# Altium PCB SPEC-A7.PcbDoc (part 4 of 10)
Units mm, origin at the board's own origin, x right, y up, seen from the top; angles counter-clockwise.
Board outline 160 x 100 mm, 6 copper layers (Top Layer, L2, L3, L4, L5, Bottom Layer), stack 1.61 mm thick; 746 components, 489 nets, 2774 pads, 1740 vias.
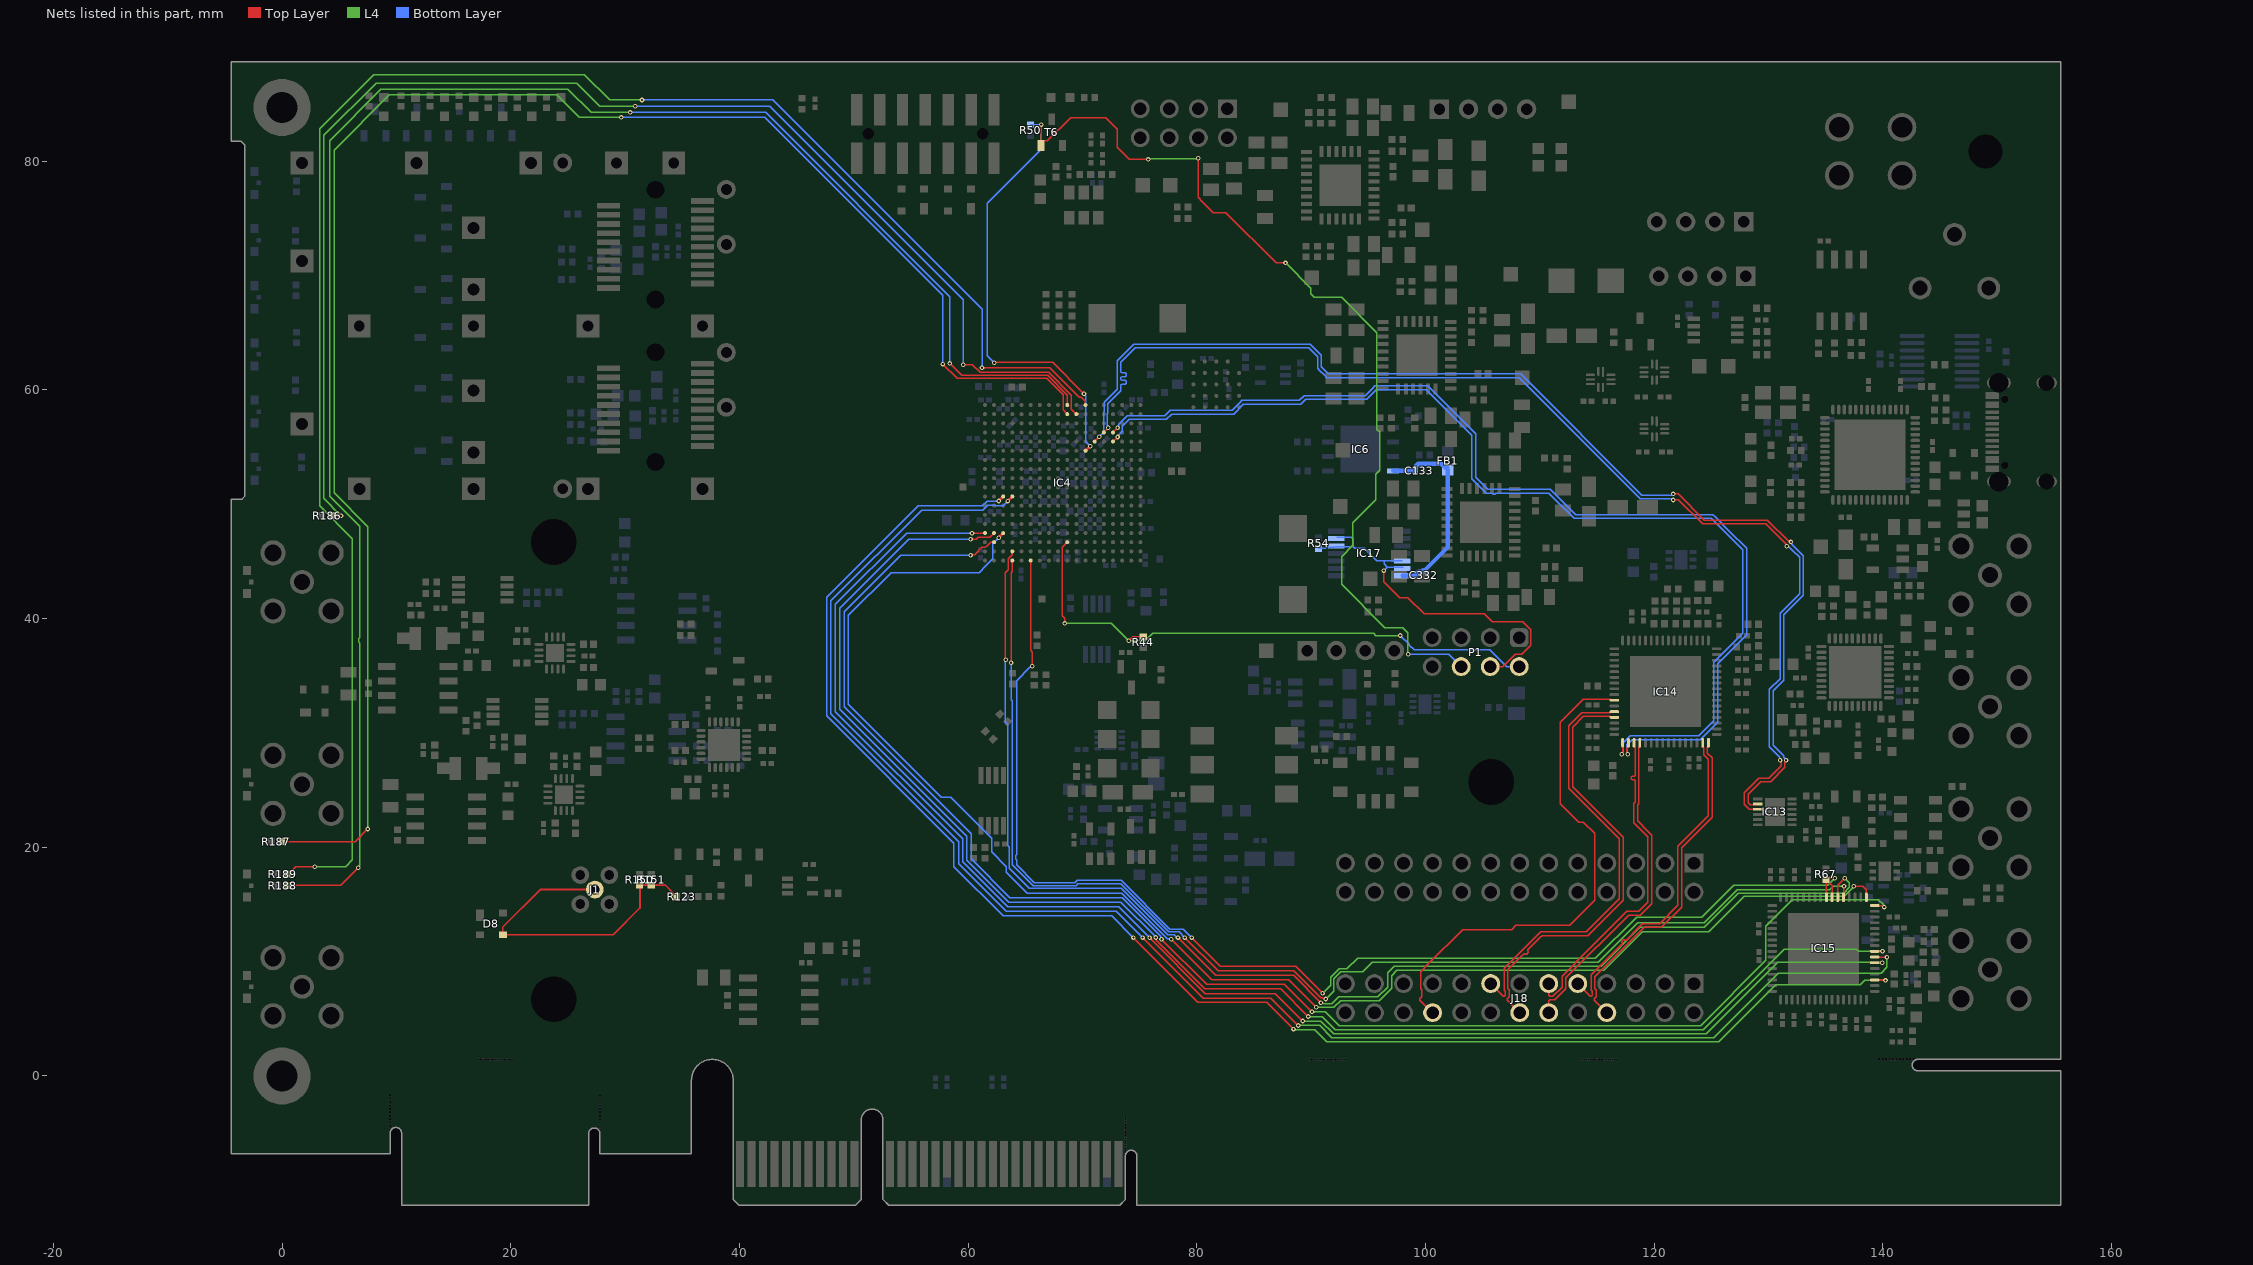
[diagram p8: the nets of this part, all layers, seen from the top]

## Via types
v1: diameter 0.4, hole 0.2, Top Layer to Bottom Layer, tented both sides, 1622 vias
v2: diameter 0.5, hole 0.2, Top Layer to Bottom Layer, tented both sides, 73 vias
v3: diameter 0.4, hole 0.2, Top Layer to Bottom Layer, 45 vias

## Nets (pads, with @x,y where several pads share a name; then routed paths per layer and width w, separated by ;. In a path a pad name is that pad's centre, name@x,y a point inside that pad or via, vN(x,y) a via of type N, cw(c..) or ccw(c..) an arc to the next point about the centre after c; other vN are vias at no path point) (continued)
EXT_CLK_4_P: IC14.26 J18.20 | length 44.6
  Top Layer w0.127: J18.20@100.611,5.54 99.51,6.64 99.51,6.745 99.681,6.917 99.681,7.538 99.57,7.649 99.57,9.121 100.25,9.8 103.25,12.8 107.517,12.8 107.887,13.17 112.587,13.17 114.78,15.363 114.78,21.207 113.787,22.2 113.372,22.2 111.761,23.811 111.761,30.923 113.532,32.694 113.534,32.694 113.782,32.943 116.091,32.943 116.176,32.858 IC14.26@116.509,32.858
EXT_CLK_5_N: IC14.28 J18.15 | length 38.3
  Top Layer w0.127: J18.15@105.691,8.08 106.791,6.979 106.897,6.979 106.971,7.053 106.971,7.401 106.86,7.512 106.86,9.41 107.054,9.604 110.05,12.6 114.05,12.6 116.95,15.5 116.95,20.733 114.716,22.967 112.52,25.163 112.52,30.642 113.65,31.773 115.176,31.773 116.091,31.773 116.176,31.858 IC14.28@116.509,31.858
EXT_CLK_5_P: IC14.29 J18.14 | length 38.6
  Top Layer w0.127: J18.14@108.231,5.54 107.13,6.64 107.13,6.745 107.301,6.917 107.301,7.538 107.19,7.649 107.19,9.274 108.333,10.417 108.609,10.693 108.715,10.693 108.748,10.659 108.84,10.659 108.979,10.798 108.979,10.891 108.946,10.924 108.946,11.029 110.033,12.117 ; 109.733,11.817 110.033,12.117 ; IC14.29@116.509,31.358 116.176,31.358 116.091,31.443 115.313,31.443 113.787,31.443 112.85,30.506 112.85,25.3 117.28,20.87 117.28,15.363 114.187,12.27 110.187,12.27 110.033,12.117
EXT_CLK_6_N: IC14.47 J18.9 | length 29.4
  Top Layer w0.127: J18.9@113.311,8.08 114.411,6.979 114.517,6.979 114.591,7.053 114.591,7.401 114.48,7.512 114.48,8.83 114.674,9.024 117.15,11.5 117.195,11.545 117.195,11.65 117.161,11.683 117.161,11.776 117.3,11.915 117.393,11.915 117.426,11.881 117.531,11.881 118.57,12.92 118.79,13.14 118.983,13.333 120.474,13.333 122.05,14.909 122.05,20.08 122.243,20.273 124.721,22.752 124.721,23.346 124.721,27.682 124.319,28.085 124.319,28.714 124.234,28.799 IC14.47@124.234,29.133
EXT_CLK_6_P: IC14.48 J18.8 | length 29.5
  Top Layer w0.127: J18.8@115.851,5.54 114.75,6.64 114.75,6.745 114.921,6.917 114.921,7.538 114.81,7.649 114.81,8.694 119.12,13.003 120.611,13.003 122.38,14.772 122.38,19.943 125.052,22.615 125.052,27.819 124.649,28.222 124.649,28.714 124.734,28.799 IC14.48@124.734,29.133
EXT_CLK_9_N: IC14.36 J18.12 | length 28.8
  Top Layer w0.127: J18.12@110.771,5.54 110.771,6.57 110.845,6.645 111.274,6.645 112.27,7.641 112.27,8.59 117.75,14.07 118.787,14.07 119.78,15.063 119.78,21.07 119.45,21.4 118.552,22.298 118.552,23.718 118.649,23.815 118.649,28.714 118.734,28.799 IC14.36@118.734,29.133
EXT_CLK_9_P: IC14.35 J18.11 | length 28.7
  Top Layer w0.127: J18.11@110.771,8.08 110.771,7.049 110.845,6.975 111.137,6.975 111.94,7.777 111.94,8.727 114.42,11.207 117.613,14.4 118.65,14.4 119.45,15.2 119.45,20.933 118.222,22.161 118.222,23.855 118.319,23.952 118.319,24.61 118.319,25.827 118.244,25.901 118.053,25.901 117.987,25.966 117.987,26.162 118.053,26.228 118.244,26.228 118.319,26.302 118.319,26.693 118.319,28.714 118.234,28.799 IC14.35@118.234,29.133
EXT_CLK_N: IC4.D14 IC13.9 | length 102.6
  Top Layer w0.127: IC4.D14@71.864,56.276 71.864,56.289 72.236,56.662 v1(72.236,56.676) ; v1(121.65,50.371) 121.685,50.406 122.104,50.406 124.225,48.285 129.759,48.285 131.525,46.519 131.525,46.38 v1(131.577,46.327) ; IC13.9@129.05,23.325 128.323,23.325 127.87,23.778 127.87,24.762 129.155,26.047 130.03,26.047 131.098,27.116 131.098,27.428 131,27.526 v1(131,27.6)
  Bottom Layer w0.127: v1(72.236,56.676) 72.212,56.7 72.212,56.851 72.177,56.887 72.177,57.931 72.212,57.966 72.212,58.786 73.35,59.925 73.35,60.042 73.35,60.432 73.424,60.507 73.742,60.507 73.808,60.572 73.808,60.768 73.742,60.834 73.415,60.834 73.35,60.899 73.35,61.095 73.415,61.161 73.736,61.161 73.802,61.226 73.802,61.422 73.736,61.488 73.424,61.488 73.35,61.562 73.35,62.073 73.35,62.4 74.617,63.667 89.782,63.667 90.55,62.9 90.55,61.871 90.743,61.678 91.161,61.26 91.355,61.067 108.183,61.067 118.78,50.47 v1@121.55,50.47 ; v1(131,27.6) 130.986,27.614 130.986,27.884 130.069,28.802 130.069,33.819 131.005,34.755 131.005,35.1 131.013,35.107 131.013,40.479 132.7,42.167 132.7,45.344 132.02,46.024 131.769,46.275 131.629,46.275 v1(131.577,46.327)
EXT_CLK_P: IC4.E13 IC13.8 | length 102.7
  Top Layer w0.127: IC4.E13@71.064,55.476 71.064,55.488 71.465,55.889 v1(71.465,55.902) ; v1(121.65,50.898) 122.079,50.898 124.362,48.615 129.896,48.615 131.758,46.752 131.898,46.752 v1(131.95,46.7) ; IC13.8@129.05,23.775 128.994,23.719 128.396,23.719 128.2,23.915 128.2,24.625 129.292,25.717 130.167,25.717 131.429,26.979 131.429,27.428 131.527,27.526 v1(131.527,27.6)
  Bottom Layer w0.127: v1(71.465,55.902) 71.846,56.284 71.846,56.468 ; 71.846,56.468 71.846,56.883 ; 71.846,56.884 71.846,58.068 71.881,58.103 71.881,58.923 73.02,60.061 73.02,62.537 74.48,63.998 89.919,63.998 90.88,63.037 90.88,62.008 91.491,61.397 108.32,61.397 118.917,50.8 v1@121.55,50.8 ; v1(131.527,27.6) 131.527,27.674 131.316,27.884 131.316,28.021 130.399,28.939 130.399,33.682 131.335,34.619 131.335,34.963 131.343,34.97 131.343,40.343 133.03,42.03 133.03,45.48 132.156,46.354 132.002,46.509 132.002,46.648 v1(131.95,46.7)
EXT_PLL_CS: IC4.R3 IC15.17 | length 132
  Top Layer w0.127: v1(77.75,11.947) 81.297,8.4 88.05,8.4 v1(90.45,6) ; v1(137.45,16.6) 138.25,16.6 138.55,16.3 IC15.17@138.55,15.625
  Top Layer w0.254: v1(62.664,47.076) IC4.R3@63.064,47.476
  L4 w0.127: v1(90.45,6) 91.98,6 92.56,6.58 95.955,6.58 97.03,7.656 97.03,8.781 97.49,9.24 115.59,9.24 118.95,12.6 124.75,12.6 127.85,15.7 136.613,15.7 137.45,16.536 v1(137.45,16.6)
  Bottom Layer w0.127: v1(62.664,47.076) 62.151,46.563 62.151,45.217 61.556,44.622 61.556,44.615 60.961,44.021 53.27,44.021 49.525,40.275 49.525,32.511 57.642,24.393 58.457,24.393 62.05,20.801 62.05,19.602 63.338,18.313 63.338,17.811 65.15,16 73.413,16 77.413,12 77.698,12 v1(77.75,11.947)
EXT_PLL_LOCK: IC4.L3 IC15.3 | length 138.3
  Top Layer w0.127: v1(74.45,12.1) 80.09,6.46 86.09,6.46 v1(88.45,4.1) ; IC15.3@139.275,8.4 139.297,8.377 140.196,8.377 v1(140.219,8.355)
  Top Layer w0.254: v1(62.664,50.28) 62.666,50.28 63.062,50.676 IC4.L3@63.064,50.676
  L4 w0.127: v1(88.45,4.1) 88.502,4.048 88.688,4.048 88.71,4.026 90.324,4.026 91.35,3 125.65,3 130.609,7.96 138.009,7.96 138.405,8.355 v1(140.219,8.355)
  Bottom Layer w0.127: v1(62.664,50.28) 62.659,50.276 61.654,50.276 61.241,49.863 55.612,49.863 47.62,41.87 47.62,31.5 58.75,20.37 58.75,18.3 63.05,14 72.55,14 v1(74.45,12.1)
EXT_PLL_REFSEL: IC4.L4 IC15.7 | length 139.3
  Top Layer w0.127: v1(75.25,12.1) 80.551,6.799 86.451,6.799 88.834,4.416 v1(88.871,4.416) ; IC15.7@139.275,10.4 139.281,10.393 140.339,10.393 v1(140.346,10.387)
  Top Layer w0.254: v1(63.464,50.276) IC4.L4@63.864,50.676
  L4 w0.127: v1(88.871,4.416) 90.734,4.416 91.813,3.337 125.187,3.337 130.85,9 139.85,9 140.346,9.496 v1(140.346,10.387)
  Bottom Layer w0.127: v1(63.464,50.276) 63.051,49.863 62.386,49.863 62.356,49.893 61.691,49.893 61.279,49.482 55.931,49.482 48.001,41.551 48.001,31.677 59.177,20.5 59.177,18.572 63.35,14.4 72.95,14.4 v1(75.25,12.1)
EXT_PLL_SCLK: IC4.T2 IC15.16 | length 135.4
  Top Layer w0.127: v1(60.21,45.545) 60.263,45.597 60.555,45.597 61.2,46.241 61.528,46.241 61.597,46.31 61.615,46.31 61.981,46.676 IC4.T2@62.264,46.676 ; v1(76.905,11.955) 80.851,8.01 87.64,8.01 90.028,5.622 v1(90.066,5.622) ; IC15.16@139.275,14.9 139.899,14.9 140.026,14.773 v1(140.1,14.773)
  L4 w0.127: v1(90.066,5.622) 90.078,5.61 91.24,5.61 92.45,4.4 124.05,4.4 129.75,10.1 129.75,13.1 132.05,15.4 139.6,15.4 140.048,14.952 140.048,14.825 v1(140.1,14.773)
  Bottom Layer w0.127: v1(60.21,45.545) 54.094,45.545 49.144,40.594 49.144,32.306 60.25,21.2 60.25,19 63.65,15.6 73.454,15.6 76.853,12.201 76.853,12.008 v1(76.905,11.955)
EXT_PLL_SDI: IC4.U4 IC15.22 | length 114.4
  Top Layer w0.127: v1(63.286,36.406) 63.241,36.451 63.241,44.008 63.498,44.265 63.498,45.227 63.864,45.593 IC4.U4@63.864,45.876 ; v1(78.35,12.1) 81.65,8.8 88.45,8.8 90.848,6.402 v1(90.848,6.399) ; IC15.22@136.05,15.625 136.05,16.7 v1(136.65,17.3)
  L4 w0.127: v1(90.848,6.399) 90.9,6.346 91.089,6.346 91.092,6.344 91.11,6.326 91.814,6.326 92.396,6.908 95.83,6.908 96.679,7.756 96.679,9.029 97.248,9.598 115.348,9.598 118.75,13 124.35,13 127.35,16 136.554,16 137.05,16.496 137.05,16.9 v1(136.65,17.3)
  Bottom Layer w0.127: v1(63.286,36.406) 63.241,36.36 63.241,30.967 63.463,30.745 63.463,20.158 63.6,20.021 63.6,19.698 63.592,19.69 63.592,18.157 65.35,16.4 73.372,16.4 77.434,12.338 78.038,12.338 78.276,12.1 v1(78.35,12.1)
EXT_PLL_SDO: IC4.V4 IC15.21 | length 110.1
  Top Layer w0.127: v1(63.749,36.147) 63.749,44.021 63.864,44.136 IC4.V4@63.864,45.076 ; v1(78.95,12.1) 81.85,9.2 88.478,9.2 90.828,6.85 90.949,6.85 91.017,6.782 91.206,6.782 v1(91.258,6.73) ; IC15.21@136.55,15.625 136.569,15.644 136.569,16.567 v1(136.589,16.587)
  L4 w0.127: v1(91.258,6.73) 91.95,7.422 91.95,8.511 92.56,9.12 94.507,9.12 95.35,9.962 115.112,9.962 118.55,13.4 124.35,13.4 127.25,16.3 135.35,16.3 135.637,16.587 v1(136.589,16.587)
  Bottom Layer w0.127: v1(63.749,36.147) 63.749,32.905 63.846,32.808 63.846,20.135 63.854,20.127 63.854,19.593 63.846,19.585 63.846,18.492 65.683,16.655 69.435,16.655 69.579,16.8 73.331,16.8 77.539,12.592 78.458,12.592 v1(78.95,12.1)
EXT_PLL_STAT: IC4.R1 IC15.6 | length 132.7
  Top Layer w0.127: v1(60.333,47.463) 60.802,47.463 60.824,47.44 61.428,47.44 IC4.R1@61.464,47.476 ; v1(75.863,12.094) 75.863,12.086 80.749,7.2 86.85,7.2 89.243,4.807 v1(89.25,4.807) ; IC15.6@139.275,9.9 v1(139.942,9.902)
  L4 w0.127: v1(89.25,4.807) 89.257,4.8 90.85,4.8 91.95,3.7 124.55,3.7 130.79,9.941 139.903,9.941 v1(139.942,9.902)
  Bottom Layer w0.127: v1(60.333,47.463) 54.612,47.463 48.382,41.232 48.382,31.868 59.524,20.726 59.524,18.726 63.45,14.8 73.16,14.8 v1(75.863,12.094) v1(75.863,12.094)
EXT_PLL_SYNC: IC4.R2 IC15.8 | length 132.9
  Top Layer w0.127: v1(60.21,46.942) 60.719,46.942 60.888,47.11 61.898,47.11 IC4.R2@62.264,47.476 ; v1(76.39,12.111) 76.442,12.059 76.442,11.866 80.681,7.628 87.322,7.628 v1(89.75,5.2) ; IC15.8@139.275,10.9 v1(139.96,10.9)
  L4 w0.127: v1(89.75,5.2) 90.95,5.2 92.117,4.033 124.283,4.033 131.35,11.1 137.673,11.1 137.873,10.9 v1(139.96,10.9)
  Bottom Layer w0.127: v1(60.21,46.942) 54.791,46.942 48.763,40.913 48.763,32.087 59.881,20.969 59.881,18.869 63.55,15.2 73.36,15.2 76.39,12.17 v1(76.39,12.111)
EXT_RESET: IC4.V6 IC15.23 IC15.24 R67.2 | length 112.3
  Top Layer w0.127: IC4.V6@65.459,45.07 65.459,37.208 65.604,37.063 v1(65.604,35.839) ; v1(79.55,12.1) 82.05,9.6 88.631,9.6 v1(90.99,7.24) ; IC15.24@135.05,15.625 R67.2@135.05,17.118 ; IC15.23@135.55,15.625 135.55,16.638 135.032,17.156 135.168,17.292 v1(135.779,17.292)
  L4 w0.127: v1(90.99,7.24) 91.696,7.947 91.696,8.616 92.455,9.374 93.124,9.374 94.05,10.3 114.85,10.3 118.45,13.9 124.15,13.9 126.95,16.7 135.187,16.7 v1(135.779,17.292)
  Bottom Layer w0.127: v1(65.604,35.839) 65.53,35.839 65.433,35.742 65.403,35.742 64.229,34.567 64.229,19.331 64.178,19.28 64.178,18.957 64.229,18.906 64.229,18.468 65.788,16.909 69.33,16.909 69.519,17.099 73.392,17.099 77.645,12.846 78.804,12.846 v1(79.55,12.1)
EXT_TOD_IN: D8.3 J1.1 R123.1 R150.2 R151.2 | length 28.7
  Top Layer w0.155: J1.1@27.35,16.3 22.577,16.3 19.3,13.023 D8.3@19.3,12.35 28.95,12.35 31.3,14.7 31.3,16.673 R150.2@31.27,16.704 R151.2@32.286,16.704 33.493,16.704 34.265,15.931 34.265,15.901 R123.1@34.479,15.688
FLASH_UP_EN: IC17.5 IC17.6 IC17.12 IC17.13 P1.4 R54.2 | length 33.8
  Top Layer w0.127: v3(96.35,44.2) 96.35,43.211 97.755,41.806 98.458,41.806 99.863,40.4 105.15,40.4 105.849,39.701 108.506,39.701 109.205,39.002 109.205,37.678 108.412,36.885 107.838,36.885 106.754,35.8 P1.4@105.65,35.8
  Bottom Layer w0.127: R54.2@90.65,46.13 91.212,46.13 91.336,46.253 92.053,46.253 92.095,46.295 93.65,46.295 93.65,47 93.55,47.1 IC17.6@92.25,47.1 ; 93.65,46.329 93.812,46.167 94.627,46.167 95.723,45.07 96.375,45.07 ; v3(96.35,44.2) 96.65,44.5 IC17.13@98.05,44.5 ; 96.662,44.5 96.375,44.787 96.375,45.07 ; IC17.12@97.977,45.041 97.948,45.07 96.375,45.07
FLASH_VCC: C133.2 C332.1 FB1.2 IC6.8 IC17.14 | length 17.2
  Bottom Layer w0.381: IC6.8@97.164,52.912 C133.2@99.086,52.911 C133.2@99.086,52.911 99.106,52.911 99.14,52.945 99.14,53.322 99.364,53.546 101.376,53.546 101.722,53.2 FB1.2@101.883,53.2 ; IC17.14@97.977,43.741 99.015,43.741 99.365,44.09 99.815,44.09 C332.1@99.815,44.209 ; C332.1@99.85,44.153 99.85,44.175 99.884,44.209 99.906,44.209 101.952,46.255 FB1.2@101.952,52.995
FP_LED0: IC4.B11 R186.2 | length 118.3
  Top Layer w0.127: R186.2@4.42,49 v1(5.15,49) ; v1(59.558,62.208) 60.377,62.208 61.047,61.538 67.035,61.538 69.029,59.543 69.029,58.31 IC4.B11@69.464,57.876
  L4 w0.127: v1(5.15,49) 3.65,50.5 3.65,82.246 8.224,86.82 25.776,86.82 27.784,84.812 v1(30.874,84.812)
  Bottom Layer w0.127: v1(30.874,84.812) 42.638,84.812 59.558,67.892 v1(59.558,62.208)
FP_LED1: IC4.B10 R187.2 | length 150.5
  Top Layer w0.127: R187.2@-0.03,20.5 6.4,20.5 v1(7.5,21.6) ; v1(57.78,62.258) 59.034,61.005 66.85,61.005 68.298,59.556 68.298,58.241 IC4.B10@68.664,57.876
  L4 w0.127: v1(7.5,21.6) 7.5,48.05 4.55,51 4.55,80.961 9.389,85.8 24.027,85.8 26.004,83.823 v1(29.662,83.823)
  Bottom Layer w0.127: v1(29.662,83.823) 42.227,83.823 57.78,68.27 v1(57.78,62.258)
FP_LED2: IC4.A10 R188.2 | length 153.4
  Top Layer w0.127: R188.2@0.482,16.7 5.15,16.7 v1(6.65,18.2) ; v1(58.389,62.309) 59.44,61.259 66.955,61.259 68.664,59.55 IC4.A10@68.664,58.676
  L4 w0.127: v1(6.65,18.2) 6.65,18.274 6.779,18.403 6.779,37.869 6.71,37.938 6.71,38.262 6.779,38.331 6.779,48.071 4.15,50.7 4.15,81.806 8.644,86.3 25.001,86.3 27.039,84.262 v1(30.451,84.262)
  Bottom Layer w0.127: v1(30.451,84.262) 42.288,84.262 58.389,68.16 v1(58.389,62.309)
FP_LED3: IC4.A12 R189.2 | length 155.3
  Top Layer w0.127: R189.2@0.55,17.65 1.2,18.3 v1(2.85,18.3) ; v1(61.209,61.928) 67.152,61.928 69.718,59.363 69.879,59.363 70.221,59.02 70.221,58.718 IC4.A12@70.264,58.676
  L4 w0.127: v1(2.85,18.3) 5.55,18.3 6.15,18.9 6.15,47 3.296,49.854 3.296,82.831 8.021,87.557 26.436,87.557 28.643,85.35 v1(31.475,85.35)
  Bottom Layer w0.127: v1(31.475,85.35) 42.9,85.35 61.209,67.041 v1(61.209,61.928)
FPGA_DONE: IC4.F12 P1.6 R50.1 T6.1 | length 119.6
  Top Layer w0.127: v1(62.276,62.36) 62.326,62.411 67.383,62.411 v1(70.125,59.668) ; T6.1@66.355,81.368 66.355,81.539 66.591,81.775 66.925,81.775 68.95,83.8 72.05,83.8 73.048,82.802 ; v1(66.39,83.201) 66.39,81.717 T6.1@66.407,81.7 ; 73.05,82.8 73.05,81.2 74.098,80.151 v1(75.756,80.151) ; v1(80.12,80.242) 80.12,76.83 80.285,76.665 80.285,76.632 81.416,75.5 82.545,75.5 86.945,71.1 v3(87.75,71.1)
  Top Layer w0.254: IC4.F12@70.264,54.676 v1(70.664,55.076)
  L4 w0.127: v1(75.756,80.151) 75.804,80.2 80.05,80.2 v1@80.15,80.3 ; v3(87.75,71.1) 89.95,68.9 89.95,68.4 90.25,68.1 92.65,68.1 95.75,65 95.75,56.565 95.977,56.338 95.977,52.964 95.65,52.638 95.65,50.4 93.65,48.4 93.65,46.4 92.65,45.4 92.65,43 96.45,39.2 98.01,39.2 98.45,38.76 98.45,36.914 v3(98.493,36.871)
  Bottom Layer w0.127: v1(62.276,62.36) 61.666,62.97 61.666,76.316 66.39,81.04 v1(66.39,83.201) ; R50.1@65.45,83.17 65.48,83.2 v1(66.39,83.201) ; v1(70.125,59.668) 70.125,59.615 70.281,59.459 70.281,57.461 70.263,57.443 70.263,55.47 70.658,55.076 v1(70.664,55.076) ; v3(98.493,36.871) 98.522,36.9 102.01,36.9 P1.6@103.11,35.8
FPGA_GCLK_N: IC4.D15 IC14.34 | length 91.9
  Top Layer w0.127: IC4.D15@72.664,56.276 v1(73.064,56.676) ; v1@117.585,28.315 117.585,28.65 117.734,28.799 IC14.34@117.734,29.133
  Bottom Layer w0.127: v1(73.064,56.676) 73.116,56.728 73.116,56.851 73.151,56.887 73.151,56.972 73.578,57.399 73.895,57.716 73.929,57.751 77.205,57.751 77.671,58.216 83.08,58.216 83.728,58.863 83.824,58.96 83.936,59.072 88.95,59.072 89.378,59.499 94.721,59.499 95.374,60.152 95.567,60.345 100.184,60.345 104.38,56.149 104.38,52.37 104.65,52.1 105.45,51.3 110.917,51.3 113.117,49.1 125.117,49.1 125.31,48.907 126.656,47.56 127.983,46.233 128.08,46.137 128.08,38.563 125.55,36.033 125.55,30.933 124.032,29.416 118.052,29.416 117.585,28.948 v1@117.585,28.315
  other v1: 117.683,28.143
FPGA_GCLK_P: IC4.E15 IC14.33 | length 91.7
  Top Layer w0.127: IC4.E15@72.664,55.476 v1(73.064,55.876) ; IC14.33@117.234,29.133 117.255,29.112 v1@117.255,28.315
  Bottom Layer w0.127: v1(73.064,55.876) 73.064,55.944 73.481,56.362 73.481,56.836 73.715,57.069 74.032,57.386 74.066,57.42 77.342,57.42 77.808,57.886 83.217,57.886 84.073,58.741 89.087,58.741 89.514,59.169 94.858,59.169 95.704,60.015 100.048,60.015 104.05,56.013 104.05,52.233 104.533,51.75 105.313,50.97 105.805,50.97 105.895,50.879 106.051,50.879 106.141,50.97 110.78,50.97 111.35,50.4 112.98,48.77 124.98,48.77 127.75,46 127.75,38.7 125.22,36.17 125.22,31.07 123.896,29.746 117.915,29.746 117.255,29.085 v1@117.255,28.315
  other v1: 117.156,28.143
FPGA_INIT_B: IC4.T10 P1.2 R44.1 | length 50.7
  Top Layer w0.127: v1(68.448,39.576) 68.448,40.039 68.229,40.258 68.229,46.241 IC4.T10@68.664,46.676 ; v1(74.036,38.052) 74.379,38.395 R44.1@75.306,38.395
  L4 w0.127: v1(68.448,39.576) 72.512,39.576 v1(74.036,38.052) 75.501,38.052 76.15,38.7 95.45,38.7 95.65,38.5 97.774,38.5 v3(97.795,38.521)
  Bottom Layer w0.127: v3(97.795,38.521) 97.795,38.506 98.564,37.736 98.564,37.685 98.993,37.257 105.629,37.257 107.086,35.8 P1.2@108.19,35.8